# KiCad board GNSS_breakout_L86-M33.kicad_pcb (continued)
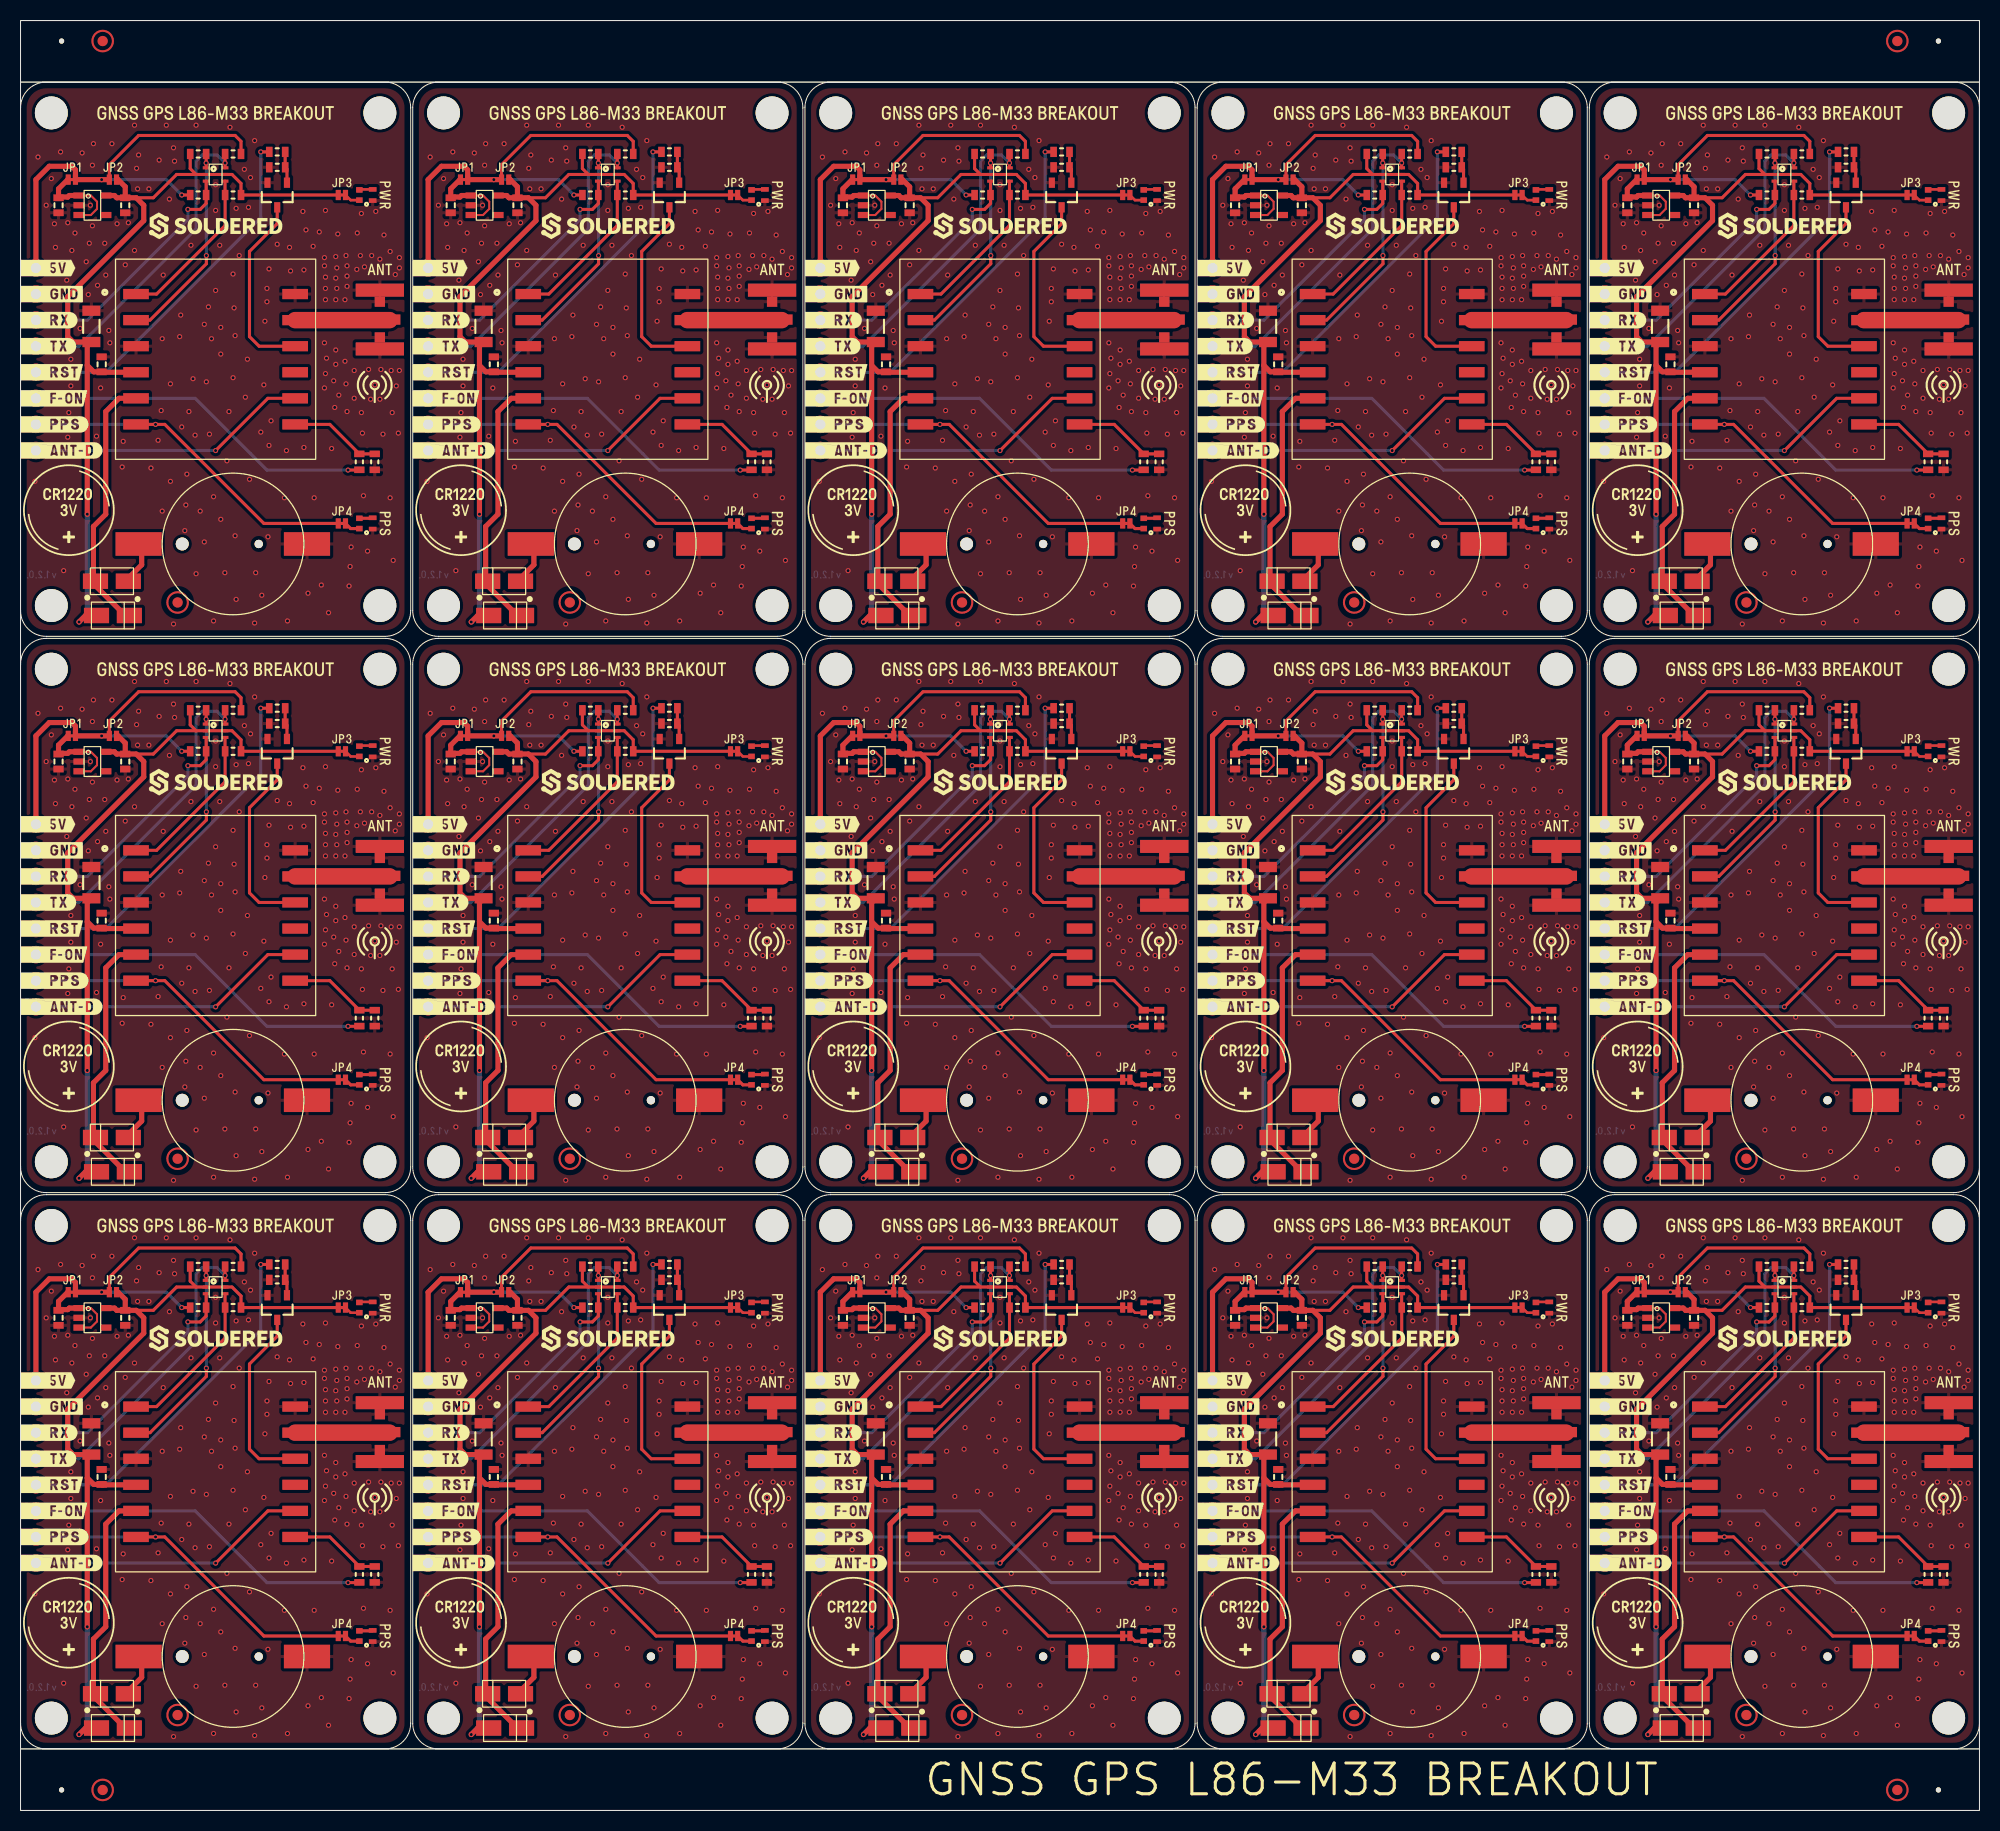
[diagram p0: board, top side]
## Routing (per net, layer and track width the routed paths; a pad name or vN(x,y) marks a point on that pad's centre or on a via; arc(x,y) is an arc through that point) (continued)
ANT: length 137.9
  Top w1.6: U2#4.11 188.75,91.01 ; U2#9.11 188.75,145.21 ; U2#8.11 188.75,36.81 ; U2#2.11 112.34,91.01 ; U2#13.11 112.34,145.21 ; U2#5.11 150.54,91.01 ; U2#10.11 74.15,145.21 ; U2#12.11 74.15,91.01 ; U2.11 35.94,91.01 ; U2#15.11 112.34,36.81 ; U2#14.11 74.15,36.81 ; U2#6.11 150.54,36.81 ; U2#3.11 35.94,145.21 ; U2#11.11 35.94,36.81 ; U2#7.11 150.54,145.21
ANT_DET: length 410.4
  Top w0.3: U2#15.8 100.49,29.19 v1(95.4,24.1) ; v1(95.4,78.3) 100.49,83.39 U2#2.8 ; v1(19,24.1) 24.09,29.19 U2#11.8 ; U2#3.8 24.09,137.59 v1(19,132.5) ; v1(57.2,78.3) 62.29,83.39 U2#12.8 ; v1(19,78.3) 24.09,83.39 U2.8 ; U2#14.8 62.29,29.19 v1(57.2,24.1) ; v1(133.6,78.3) 138.69,83.39 U2#5.8 ; v1(133.6,24.1) 138.69,29.19 U2#6.8 ; v1(171.8,132.5) 176.89,137.59 U2#9.8 ; v1(95.4,132.5) 100.49,137.59 U2#13.8 ; U2#10.8 62.29,137.59 v1(57.2,132.5) ; U2#4.8 176.89,83.39 v1(171.8,78.3) ; v1(171.8,24.1) 176.89,29.19 U2#8.8 ; v1(133.6,132.5) 138.69,137.59 U2#7.8
  Bottom w0.3: v1(19,78.3) 18.99,78.31 K3#7.1 ; v1(95.4,132.5) 95.39,132.51 K3#12.1 ; K3#10.1 133.59,78.31 v1(133.6,78.3) ; v1(95.4,24.1) 95.39,24.11 K3.1 ; K3#4.1 171.79,24.11 v1(171.8,24.1) ; K3#13.1 57.19,132.51 v1(57.2,132.5) ; K3#8.1 171.79,132.51 v1(171.8,132.5) ; v1(171.8,78.3) 171.79,78.31 K3#9.1 ; K3#15.1 133.59,132.51 v1(133.6,132.5) ; v1(95.4,78.3) 95.39,78.31 K3#11.1 ; K3#6.1 18.99,132.51 v1(19,132.5) ; K3#5.1 18.99,24.11 v1(19,24.1) ; v1(133.6,24.1) 133.59,24.11 K3#2.1 ; K3#3.1 57.19,24.11 v1(57.2,24.1) ; K3#14.1 57.19,78.31 v1(57.2,78.3)
FORCE_ON: length 516.1
  Top w0.3: R1#9.1 71.18,22.2 v1(70.1,22.2) ; R1#15.1 71.18,76.4 v1(70.1,76.4) ; R1#2.1 109.38,130.6 v1(108.3,130.6) ; R1#6.1 185.77,76.4 v1(184.7,76.4) ; v1(108.3,76.4) 109.38,76.4 R1#3.1 ; R1#5.1 185.77,130.6 v1(184.7,130.6) ; v1(31.9,76.4) 32.97,76.4 R1.1 ; R1#12.1 32.97,22.2 v1(31.9,22.2) ; v1(31.9,130.6) 32.97,130.6 R1#14.1 ; v1(146.5,76.4) 147.57,76.4 R1#4.1 ; R1#13.1 185.77,22.2 v1(184.7,22.2) ; v1(146.5,130.6) 147.57,130.6 R1#8.1 ; v1(70.1,130.6) 71.18,130.6 R1#7.1 ; v1(108.3,22.2) 109.38,22.2 R1#10.1 ; v1(146.5,22.2) 147.57,22.2 R1#11.1
  Bottom w0.3: v1(146.5,130.6) 138.6,130.6 131.61,137.59 K3#15.3 ; v1(31.9,22.2) 24,22.2 17.01,29.19 K3#5.3 ; v1(70.1,76.4) 62.2,76.4 55.21,83.39 K3#14.3 ; K3.3 93.41,29.19 100.4,22.2 v1(108.3,22.2) ; K3#7.3 17.01,83.39 24,76.4 v1(31.9,76.4) ; K3#12.3 93.41,137.59 100.4,130.6 v1(108.3,130.6) ; K3#9.3 169.81,83.39 176.8,76.4 v1(184.7,76.4) ; K3#11.3 93.41,83.39 100.4,76.4 v1(108.3,76.4) ; v1(146.5,22.2) 138.6,22.2 131.61,29.19 K3#2.3 ; v1(70.1,22.2) 62.2,22.2 55.21,29.19 K3#3.3 ; K3#10.3 131.61,83.39 138.6,76.4 v1(146.5,76.4) ; v1(70.1,130.6) 62.2,130.6 55.21,137.59 K3#13.3 ; v1(184.7,130.6) 176.8,130.6 169.81,137.59 K3#8.3 ; K3#4.3 169.81,29.19 176.8,22.2 v1(184.7,22.2) ; K3#6.3 17.01,137.59 24,130.6 v1(31.9,130.6)
PPS: length 530.2
  Top w0.3: U2#6.6 v1(127.75,26.65) 128.65,26.65 138.3,17 JP4#15.1 ; JP4#6.1 100.1,125.4 90.45,135.05 v1(89.55,135.05) U2#13.6 ; U2.6 v1(13.15,80.85) 14.05,80.85 23.7,71.2 JP4#14.1 ; JP4#9.1 138.3,125.4 128.65,135.05 v1(127.75,135.05) U2#7.6 ; JP4#5.1 23.7,17 14.05,26.65 v1(13.15,26.65) U2#11.6 ; U2#10.6 v1(51.35,135.05) 52.25,135.05 61.9,125.4 JP4#8.1 ; U2#14.6 v1(51.35,26.65) 52.25,26.65 61.9,17 JP4#10.1 ; U2#12.6 v1(51.35,80.85) 52.25,80.85 61.9,71.2 JP4#7.1 ; JP4.1 176.5,17 166.85,26.65 v1(165.95,26.65) U2#8.6 ; U2#4.6 v1(165.95,80.85) 166.85,80.85 176.5,71.2 JP4#13.1 ; JP4#11.1 138.3,71.2 128.65,80.85 v1(127.75,80.85) U2#5.6 ; JP4#2.1 100.1,17 90.45,26.65 v1(89.55,26.65) U2#15.6 ; U2#3.6 v1(13.15,135.05) 14.05,135.05 23.7,125.4 JP4#3.1 ; U2#2.6 v1(89.55,80.85) 90.45,80.85 100.1,71.2 JP4#4.1 ; U2#9.6 v1(165.95,135.05) 166.85,135.05 176.5,125.4 JP4#12.1
  Bottom w0.3: K3#12.2 v1(89.55,135.05) ; K3#9.2 v1(165.95,80.85) ; K3#14.2 v1(51.35,80.85) ; K3#5.2 v1(13.15,26.65) ; K3#10.2 v1(127.75,80.85) ; K3#15.2 v1(127.75,135.05) ; K3#8.2 v1(165.95,135.05) ; K3#13.2 v1(51.35,135.05) ; K3.2 v1(89.55,26.65) ; K3#4.2 v1(165.95,26.65) ; K3#6.2 v1(13.15,135.05) ; K3#11.2 v1(89.55,80.85) ; K3#7.2 v1(13.15,80.85) ; K3#3.2 v1(51.35,26.65) ; K3#2.2 v1(127.75,26.65)
RESET: length 530.5
  Top w0.3: v1(176.2,161.6) 177.02,161.6 ; v1(138,161.6) R2#13.1 ; v1(23.4,53.2) R2#12.1 ; v1(61.6,107.4) R2#5.1 ; v1(61.6,161.6) R2#6.1 ; v1(99.8,107.4) R2#14.1 ; v1(61.6,53.2) R2.1 ; v1(176.2,107.4) 177.02,107.4 ; v1(176.2,53.2) 177.02,53.2 ; v1(99.8,161.6) R2#15.1 ; v1(99.8,53.2) R2#4.1 ; v1(23.4,107.4) R2#8.1 ; v1(23.4,161.6) R2#9.1 ; v1(138,53.2) R2#3.1 ; v1(138,107.4) R2#11.1
  Bottom w0.3: K3#4.4 161.13,31.73 176.2,46.8 v1(176.2,53.2) ; v1(138,53.2) 138,46.8 122.93,31.73 K3#2.4 ; K3#6.4 8.33,140.13 23.4,155.2 v1(23.4,161.6) ; v1(99.8,107.4) 99.8,101 84.73,85.93 K3#11.4 ; K3#8.4 161.13,140.13 176.2,155.2 v1(176.2,161.6) ; v1(99.8,53.2) 99.8,46.8 84.73,31.73 K3.4 ; v1(61.6,53.2) 61.6,46.8 46.53,31.73 K3#3.4 ; v1(61.6,161.6) 61.6,155.2 46.53,140.13 K3#13.4 ; v1(176.2,107.4) 176.2,101 161.13,85.93 K3#9.4 ; v1(138,107.4) 138,101 122.93,85.93 K3#10.4 ; K3#15.4 122.93,140.13 138,155.2 v1(138,161.6) ; v1(61.6,107.4) 61.6,101 46.53,85.93 K3#14.4 ; v1(99.8,161.6) 99.8,155.2 84.73,140.13 K3#12.4 ; K3#7.4 8.33,85.93 23.4,101 v1(23.4,107.4) ; K3#5.4 8.33,31.73 23.4,46.8 v1(23.4,53.2)
RX3V3: length 236.5
  Top w0.3: U1#4.4 19.92,157.41 R8#8.1 19.92,154.43 13.25,147.75 U2#3.1 ; U2#15.1 89.65,39.35 96.32,46.03 R8#7.1 96.32,49 U1#2.4 ; U1.4 172.72,103.21 R8#12.1 172.73,100.22 166.05,93.55 U2#4.1 ; U2#7.1 127.85,147.75 134.53,154.43 R8#15.1 134.52,157.41 U1#11.4 ; U1#13.4 19.92,103.21 R8#2.1 19.92,100.22 13.25,93.55 U2.1 ; U2#10.1 51.45,147.75 58.12,154.43 R8#5.1 58.12,157.41 U1#14.4 ; U2#6.1 127.85,39.35 134.53,46.03 R8#14.1 134.52,49 U1#3.4 ; U1#8.4 19.92,49 R8#11.1 19.92,46.03 13.25,39.35 U2#11.1 ; U2#13.1 89.65,147.75 96.32,154.43 R8#10.1 96.32,157.41 U1#10.4 ; U2#8.1 166.05,39.35 172.73,46.03 R8.1 172.72,49 U1#15.4 ; U2#12.1 51.45,93.55 58.12,100.22 R8#9.1 58.12,103.21 U1#9.4 ; U2#5.1 127.85,93.55 134.53,100.22 R8#4.1 134.52,103.21 U1#5.4 ; U2#2.1 89.65,93.55 96.32,100.22 R8#13.1 96.32,103.21 U1#12.4 ; U2#14.1 51.45,39.35 58.12,46.03 R8#3.1 58.12,49 U1#6.4 ; U1#7.4 172.72,157.41 R8#6.1 172.73,154.43 166.05,147.75 U2#9.1
RX5: length 360.7
  Top w0.3: v1(54.5,47.6) 55.7,47.6 56.28,48.18 R4#6.2 56.28,49 U1#6.3 ; U1#12.3 94.48,103.21 R4#13.2 94.47,102.38 93.9,101.8 v1(92.7,101.8) ; U1#3.3 132.68,49 R4#9.2 132.68,48.18 132.1,47.6 v1(130.9,47.6) ; v1(169.1,101.8) 170.3,101.8 170.88,102.38 R4#10.2 170.88,103.21 U1.3 ; U1#15.3 170.88,49 R4#11.2 170.88,48.18 170.3,47.6 v1(169.1,47.6) ; U1#14.3 56.28,157.41 R4#2.2 56.28,156.57 55.7,156 v1(54.5,156) ; U1#13.3 18.08,103.21 R4#7.2 18.08,102.38 17.5,101.8 v1(16.3,101.8) ; v1(16.3,156) 17.5,156 18.08,156.57 R4#3.2 18.08,157.41 U1#4.3 ; v1(16.3,47.6) 17.5,47.6 18.08,48.18 R4#5.2 18.08,49 U1#8.3 ; U1#11.3 132.68,157.41 R4#15.2 132.68,156.57 132.1,156 v1(130.9,156) ; v1(92.7,156) 93.9,156 94.47,156.57 R4.2 94.48,157.41 U1#10.3 ; U1#2.3 94.48,49 R4#8.2 94.47,48.18 93.9,47.6 v1(92.7,47.6) ; U1#5.3 132.68,103.21 R4#14.2 132.68,102.38 132.1,101.8 v1(130.9,101.8) ; U1#7.3 170.88,157.41 R4#12.2 170.88,156.57 170.3,156 v1(169.1,156) ; v1(54.5,101.8) 55.7,101.8 56.28,102.38 R4#4.2 56.28,103.21 U1#9.3
  Bottom w0.3: v1(130.9,156) 130.9,155 121.11,145.21 K3#15.6 ; K3#4.6 159.31,36.81 169.1,46.6 v1(169.1,47.6) ; v1(16.3,101.8) 16.3,100.8 6.51,91.01 K3#7.6 ; K3#9.6 159.31,91.01 169.1,100.8 v1(169.1,101.8) ; v1(16.3,47.6) 16.3,46.6 6.51,36.81 K3#5.6 ; v1(92.7,156) 92.7,155 82.91,145.21 K3#12.6 ; K3#11.6 82.91,91.01 92.7,100.8 v1(92.7,101.8) ; v1(92.7,47.6) 92.7,46.6 82.91,36.81 K3.6 ; v1(54.5,101.8) 54.5,100.8 44.71,91.01 K3#14.6 ; K3#10.6 121.11,91.01 130.9,100.8 v1(130.9,101.8) ; v1(169.1,156) 169.1,155 159.31,145.21 K3#8.6 ; v1(16.3,156) 16.3,155 6.51,145.21 K3#6.6 ; K3#3.6 44.71,36.81 54.5,46.6 v1(54.5,47.6) ; v1(130.9,47.6) 130.9,46.6 121.11,36.81 K3#2.6 ; v1(54.5,156) 54.5,155 44.71,145.21 K3#13.6
TX3V3: length 304.6
  Top w0.3: R3.2 170.88,161.39 v1(170.88,160.52) U1#7.1 ; R3#10.2 94.48,107.19 v1(94.48,106.32) U1#12.1 ; U2#6.2 127.21,36.81 132.7,42.3 v1(132.7,43.1) ; U2#3.2 12.61,145.21 18.1,150.7 v1(18.1,151.5) ; U2#10.2 50.81,145.21 56.3,150.7 v1(56.3,151.5) ; v1(132.7,151.5) 132.7,150.7 127.21,145.21 U2#7.2 ; U1#3.1 v1(132.68,52.12) 132.68,53 R3#3.2 ; R3#5.2 18.08,53 v1(18.08,52.12) U1#8.1 ; v1(170.9,97.3) 170.9,96.5 165.41,91.01 U2#4.2 ; R3#14.2 56.28,161.39 v1(56.28,160.52) U1#14.1 ; U2#5.2 127.21,91.01 132.7,96.5 v1(132.7,97.3) ; R3#9.2 94.48,161.39 v1(94.48,160.52) U1#10.1 ; U2#9.2 165.41,145.21 170.9,150.7 v1(170.9,151.5) ; U1#2.1 v1(94.48,52.12) 94.48,53 R3#2.2 ; v1(56.3,97.3) 56.3,96.5 50.81,91.01 U2#12.2 ; v1(18.1,97.3) 18.1,96.5 12.61,91.01 U2.2 ; v1(170.9,43.1) 170.9,42.3 165.41,36.81 U2#8.2 ; U1#15.1 v1(170.88,52.12) 170.88,53 R3#12.2 ; v1(94.5,151.5) 94.5,150.7 89.01,145.21 U2#13.2 ; v1(18.1,43.1) 18.1,42.3 12.61,36.81 U2#11.2 ; R3#15.2 170.88,107.19 v1(170.88,106.32) U1.1 ; U1#6.1 v1(56.28,52.12) 56.28,53 R3#8.2 ; U2#15.2 89.01,36.81 94.5,42.3 v1(94.5,43.1) ; v1(94.5,97.3) 94.5,96.5 89.01,91.01 U2#2.2 ; U1#4.1 v1(18.08,160.52) 18.08,161.39 R3#13.2 ; U1#5.1 v1(132.68,106.32) 132.68,107.19 R3#11.2 ; U2#14.2 50.81,36.81 56.3,42.3 v1(56.3,43.1) ; R3#6.2 56.28,107.19 v1(56.28,106.32) U1#9.1 ; U1#11.1 v1(132.68,160.52) 132.68,161.39 R3#7.2 ; R3#4.2 18.08,107.19 v1(18.08,106.32) U1#13.1
  Bottom w0.3: v1(170.88,52.12) 170.9,52.1 v1(170.9,43.1) ; v1(56.28,52.12) 56.3,52.1 v1(56.3,43.1) ; v1(132.7,151.5) 132.7,160.5 v1(132.68,160.52) ; v1(94.5,97.3) 94.5,106.3 v1(94.48,106.32) ; v1(94.48,160.52) 94.5,160.5 v1(94.5,151.5) ; v1(56.28,106.32) 56.3,106.3 v1(56.3,97.3) ; v1(94.48,52.12) 94.5,52.1 v1(94.5,43.1) ; v1(18.08,160.52) 18.1,160.5 v1(18.1,151.5) ; v1(170.88,106.32) 170.9,106.3 v1(170.9,97.3) ; v1(18.08,106.32) 18.1,106.3 v1(18.1,97.3) ; v1(132.68,106.32) 132.7,106.3 v1(132.7,97.3) ; v1(56.28,160.52) 56.3,160.5 v1(56.3,151.5) ; v1(18.08,52.12) 18.1,52.1 v1(18.1,43.1) ; v1(132.68,52.12) 132.7,52.1 v1(132.7,43.1) ; v1(170.88,160.52) 170.9,160.5 v1(170.9,151.5)
TX5: length 475.2
  Top w0.3: R7.1 58.12,161.39 v1(58.12,160.52) U1#14.6 ; R7#2.1 19.92,161.39 v1(19.92,160.52) U1#4.6 ; R7#15.1 134.52,107.19 v1(134.52,106.32) U1#5.6 ; R7#3.1 172.72,161.39 v1(172.72,160.52) U1#7.6 ; U1#6.6 v1(58.12,52.12) 58.12,53 R7#10.1 ; U1#9.6 v1(58.12,106.32) 58.12,107.19 R7#9.1 ; U1#8.6 v1(19.92,52.12) 19.92,53 R7#14.1 ; U1#3.6 v1(134.52,52.12) 134.52,53 R7#11.1 ; R7#13.1 172.72,53 v1(172.72,52.12) U1#15.6 ; R7#5.1 96.32,53 v1(96.32,52.12) U1#2.6 ; U1#12.6 v1(96.32,106.32) 96.32,107.19 R7#12.1 ; U1.6 v1(172.72,106.32) 172.72,107.19 R7#7.1 ; U1#11.6 v1(134.52,160.52) 134.52,161.39 R7#6.1 ; U1#13.6 v1(19.92,106.32) 19.92,107.19 R7#8.1 ; R7#4.1 96.32,161.39 v1(96.32,160.52) U1#10.6
  Bottom w0.3: K3#5.5 5.67,34.27 17.1,45.7 17.1,52.3 17.7,52.9 19.14,52.9 v1(19.92,52.12) ; K3#13.5 43.87,142.67 55.3,154.1 55.3,160.7 55.9,161.3 57.34,161.3 v1(58.12,160.52) ; v1(96.32,106.32) 95.54,107.1 94.1,107.1 93.5,106.5 93.5,99.9 82.07,88.47 K3#11.5 ; K3#12.5 82.07,142.67 93.5,154.1 93.5,160.7 94.1,161.3 95.54,161.3 v1(96.32,160.52) ; v1(96.32,52.12) 95.54,52.9 94.1,52.9 93.5,52.3 93.5,45.7 82.07,34.27 K3.5 ; v1(58.12,106.32) 57.34,107.1 55.9,107.1 55.3,106.5 55.3,99.9 43.87,88.47 K3#14.5 ; K3#4.5 158.47,34.27 169.9,45.7 169.9,52.3 170.5,52.9 171.94,52.9 v1(172.72,52.12) ; K3#15.5 120.27,142.67 131.7,154.1 131.7,160.7 132.3,161.3 133.74,161.3 v1(134.52,160.52) ; K3#9.5 158.47,88.47 169.9,99.9 169.9,106.5 170.5,107.1 171.94,107.1 v1(172.72,106.32) ; K3#2.5 120.27,34.27 131.7,45.7 131.7,52.3 132.3,52.9 133.74,52.9 v1(134.52,52.12) ; K3#10.5 120.27,88.47 131.7,99.9 131.7,106.5 132.3,107.1 133.74,107.1 v1(134.52,106.32) ; v1(19.92,106.32) 19.14,107.1 17.7,107.1 17.1,106.5 17.1,99.9 5.67,88.47 K3#7.5 ; K3#3.5 43.87,34.27 55.3,45.7 55.3,52.3 55.9,52.9 57.34,52.9 v1(58.12,52.12) ; v1(19.92,160.52) 19.14,161.3 17.7,161.3 17.1,160.7 17.1,154.1 5.67,142.67 K3#6.5 ; K3#8.5 158.47,142.67 169.9,154.1 169.9,160.7 170.5,161.3 171.94,161.3 v1(172.72,160.52)
V_BCKP: length 380.8
  Top w0.5: U2#14.5 47.79,29.19 46.5,27.9 46.5,17.9 45.3,16.7 45.3,11.77 45,11.47 45,11.43 48.4,8.03 ; 163,116.43 159.6,119.83 159.6,119.87 159.9,120.17 159.9,125.1 161.1,126.3 161.1,136.3 162.39,137.59 U2#9.5 ; 10.2,62.23 6.8,65.63 6.8,65.67 7.1,65.97 7.1,70.9 8.3,72.1 8.3,82.1 9.59,83.39 U2.5 ; U2#8.5 162.39,29.19 161.1,27.9 161.1,17.9 159.9,16.7 159.9,11.77 159.6,11.47 159.6,11.43 163,8.03 ; 163,62.23 159.6,65.63 159.6,65.67 159.9,65.97 159.9,70.9 161.1,72.1 161.1,82.1 162.39,83.39 U2#4.5 ; U2#10.5 47.79,137.59 46.5,136.3 46.5,126.3 45.3,125.1 45.3,120.17 45,119.87 45,119.83 48.4,116.43 ; U2#7.5 124.19,137.59 122.9,136.3 122.9,126.3 121.7,125.1 121.7,120.17 121.4,119.87 121.4,119.83 124.8,116.43 ; 86.6,62.23 83.2,65.63 83.2,65.67 83.5,65.97 83.5,70.9 84.7,72.1 84.7,82.1 85.99,83.39 U2#2.5 ; 86.6,8.03 83.2,11.43 83.2,11.47 83.5,11.77 83.5,16.7 84.7,17.9 84.7,27.9 85.99,29.19 U2#15.5 ; U2#3.5 9.59,137.59 8.3,136.3 8.3,126.3 7.1,125.1 7.1,120.17 6.8,119.87 6.8,119.83 10.2,116.43 ; U2#11.5 9.59,29.19 8.3,27.9 8.3,17.9 7.1,16.7 7.1,11.77 6.8,11.47 6.8,11.43 10.2,8.03 ; 124.8,8.03 121.4,11.43 121.4,11.47 121.7,11.77 121.7,16.7 122.9,17.9 122.9,27.9 124.19,29.19 U2#6.5 ; 48.4,62.23 45,65.63 45,65.67 45.3,65.97 45.3,70.9 46.5,72.1 46.5,82.1 47.79,83.39 U2#12.5 ; U2#13.5 85.99,137.59 84.7,136.3 84.7,126.3 83.5,125.1 83.5,120.17 83.2,119.87 83.2,119.83 86.6,116.43 ; U2#5.5 124.19,83.39 122.9,82.1 122.9,72.1 121.7,70.9 121.7,65.97 121.4,65.67 121.4,65.63 124.8,62.23
Net-(C3-Pad2): length 134.7
  Top w0.2: U3#12.3 121.45,101.25 122.05,101.85 122.05,102.55 121.45,103.15 U3#12.1 ; U3#9.3 6.85,155.45 7.45,156.05 7.45,156.75 6.85,157.35 U3#9.1 ; U3#11.3 159.65,101.25 160.25,101.85 160.25,102.55 159.65,103.15 U3#11.1 ; U3.3 45.05,101.25 45.65,101.85 45.65,102.55 45.05,103.15 U3.1 ; U3#10.1 83.25,103.15 83.85,102.55 83.85,101.85 83.25,101.25 U3#10.3 ; U3#6.1 159.65,48.95 160.25,48.35 160.25,47.65 159.65,47.05 U3#6.3 ; U3#15.3 45.05,155.45 45.65,156.05 45.65,156.75 45.05,157.35 U3#15.1 ; U3#14.1 121.45,157.35 122.05,156.75 122.05,156.05 121.45,155.45 U3#14.3 ; U3#13.3 121.45,47.05 122.05,47.65 122.05,48.35 121.45,48.95 U3#13.1 ; U3#4.1 6.85,48.95 7.45,48.35 7.45,47.65 6.85,47.05 U3#4.3 ; U3#7.1 6.85,103.15 7.45,102.55 7.45,101.85 6.85,101.25 U3#7.3 ; U3#3.3 45.05,47.05 45.65,47.65 45.65,48.35 45.05,48.95 U3#3.1 ; U3#2.3 83.25,155.45 83.85,156.05 83.85,156.75 83.25,157.35 U3#2.1 ; U3#5.3 83.25,47.05 83.85,47.65 83.85,48.35 83.25,48.95 U3#5.1 ; U3#8.1 159.65,157.35 160.25,156.75 160.25,156.05 159.65,155.45 U3#8.3
  Top w0.5: JP1#4.1 157.4,158.9 156.5,158 C3#15.2 156.57,157.2 157.4,157.2 157.55,157.35 U3#8.1 ; JP1#7.1 81,158.9 80.1,158 C3#14.2 80.17,157.2 81,157.2 81.15,157.35 U3#2.1 ; U3#10.1 81.15,103.15 81,103 80.17,103 C3.2 80.1,103.8 81,104.7 JP1#13.1 ; U3#9.1 4.75,157.35 4.6,157.2 3.77,157.2 C3#11.2 3.7,158 4.6,158.9 JP1#15.1 ; U3#6.1 157.55,48.95 157.4,48.8 156.57,48.8 C3#7.2 156.5,49.6 157.4,50.5 JP1#9.1 ; U3#15.1 42.95,157.35 42.8,157.2 41.97,157.2 C3#10.2 41.9,158 42.8,158.9 JP1#5.1 ; U3#5.1 81.15,48.95 81,48.8 80.17,48.8 C3#3.2 80.1,49.6 81,50.5 JP1#14.1 ; U3#7.1 4.75,103.15 4.6,103 3.77,103 C3#5.2 3.7,103.8 4.6,104.7 JP1#3.1 ; U3.1 42.95,103.15 42.8,103 41.97,103 C3#13.2 41.9,103.8 42.8,104.7 JP1#2.1 ; JP1#6.1 157.4,104.7 156.5,103.8 C3#12.2 156.57,103 157.4,103 157.55,103.15 U3#11.1 ; U3#4.1 4.75,48.95 4.6,48.8 3.77,48.8 C3#2.2 3.7,49.6 4.6,50.5 JP1#10.1 ; U3#13.1 119.35,48.95 119.2,48.8 118.37,48.8 C3#8.2 118.3,49.6 119.2,50.5 JP1#11.1 ; JP1#8.1 42.8,50.5 41.9,49.6 C3#6.2 41.97,48.8 42.8,48.8 42.95,48.95 U3#3.1 ; JP1#12.1 119.2,158.9 118.3,158 C3#4.2 118.37,157.2 119.2,157.2 119.35,157.35 U3#14.1 ; JP1.1 119.2,104.7 118.3,103.8 C3#9.2 118.37,103 119.2,103 119.35,103.15 U3#12.1
Net-(D2-Pad1): length 68.5
  Top w0.5: 48.5,11.47 50,12.97 50,14 49,15 ; 49,69.2 50,68.2 50,67.17 48.5,65.67 ; 10.3,65.67 11.8,67.17 11.8,68.2 10.8,69.2 ; 87.2,15 88.2,14 88.2,12.97 86.7,11.47 ; 163.6,123.4 164.6,122.4 164.6,121.37 163.1,119.87 ; 86.7,119.87 88.2,121.37 88.2,122.4 87.2,123.4 ; 10.3,11.47 11.8,12.97 11.8,14 10.8,15 ; 87.2,69.2 88.2,68.2 88.2,67.17 86.7,65.67 ; 49,123.4 50,122.4 50,121.37 48.5,119.87 ; 125.4,123.4 126.4,122.4 126.4,121.37 124.9,119.87 ; 10.8,123.4 11.8,122.4 11.8,121.37 10.3,119.87 ; 163.6,15 164.6,14 164.6,12.97 163.1,11.47 ; 163.6,69.2 164.6,68.2 164.6,67.17 163.1,65.67 ; 125.4,69.2 126.4,68.2 126.4,67.17 124.9,65.67 ; 124.9,11.47 126.4,12.97 126.4,14 125.4,15
Net-(D3-Pad1): length 19.8
  Top w0.254: R9#9.2 33.05,103.75 D3#11.1 ; R9#15.2 185.85,49.55 D3#15.1 ; R9#10.2 147.65,103.75 D3.1 ; D3#9.1 71.25,49.55 R9#13.2 ; D3#8.1 33.05,157.95 R9#8.2 ; D3#12.1 109.45,157.95 R9#2.2 ; D3#7.1 185.85,103.75 R9#3.2 ; R9#6.2 33.05,49.55 D3#14.1 ; R9#12.2 71.25,103.75 D3#3.1 ; D3#10.1 147.65,157.95 R9#11.2 ; D3#13.1 71.25,157.95 R9#5.2 ; D3#5.1 185.85,157.95 R9#14.2 ; R9.2 109.45,103.75 D3#2.1 ; D3#4.1 109.45,49.55 R9#4.2 ; R9#7.2 147.65,49.55 D3#6.1
Net-(D4-Pad1): length 19.8
  Top w0.3: R10#15.2 148.85,17.5 D4#14.1 ; R10#11.2 187.05,17.5 D4#3.1 ; R10#4.2 110.65,125.9 D4#2.1 ; D4#8.1 72.45,71.7 R10#3.2 ; R10#5.2 110.65,71.7 D4#7.1 ; D4#13.1 34.25,17.5 R10.2 ; D4#11.1 72.45,17.5 R10#6.2 ; R10#13.2 72.45,125.9 D4#9.1 ; D4.1 148.85,125.9 R10#8.2 ; R10#14.2 148.85,71.7 D4#6.1 ; R10#2.2 110.65,17.5 D4#4.1 ; R10#10.2 34.25,71.7 D4#5.1 ; D4#15.1 187.05,125.9 R10#7.2 ; R10#9.2 34.25,125.9 D4#12.1 ; D4#10.1 187.05,71.7 R10#12.2
Net-(JP3-Pad2): length 23.4
  Top w0.254: R9#11.1 146.75,156.9 JP3#2.2 ; JP3#6.2 70.35,48.5 R9#13.1 ; R9#15.1 184.95,48.5 JP3.2 ; R9#10.1 146.75,102.7 JP3#8.2 ; R9#3.1 184.95,102.7 JP3#5.2 ; R9.1 108.55,102.7 JP3#13.2 ; R9#14.1 184.95,156.9 JP3#4.2 ; JP3#3.2 32.15,48.5 R9#6.1 ; JP3#10.2 108.55,48.5 R9#4.1 ; JP3#12.2 32.15,102.7 R9#9.1 ; R9#2.1 108.55,156.9 JP3#15.2 ; R9#12.1 70.35,102.7 JP3#11.2 ; JP3#7.2 146.75,48.5 R9#7.1 ; R9#8.1 32.15,156.9 JP3#14.2 ; R9#5.1 70.35,156.9 JP3#9.2
Net-(JP4-Pad2): length 23.4
  Top w0.3: R10#3.1 70.35,70.7 JP4#7.2 ; JP4#3.2 32.15,124.9 R10#9.1 ; R10.1 32.15,16.5 JP4#5.2 ; JP4#6.2 108.55,124.9 R10#4.1 ; R10#8.1 146.75,124.9 JP4#9.2 ; JP4#11.2 146.75,70.7 R10#14.1 ; R10#15.1 146.75,16.5 JP4#15.2 ; JP4#12.2 184.95,124.9 R10#7.1 ; JP4#10.2 70.35,16.5 R10#6.1 ; JP4#4.2 108.55,70.7 R10#5.1 ; JP4#13.2 184.95,70.7 R10#12.1 ; JP4#8.2 70.35,124.9 R10#13.1 ; R10#2.1 108.55,16.5 JP4#2.2 ; JP4.2 184.95,16.5 R10#11.1 ; R10#10.1 32.15,70.7 JP4#14.2
Net-(Q1-Pad1): length 46.1
  Top w0.3: Q1#9.1 64.15,105.72 R6#7.1 R2#5.2 ; Q1#5.1 25.95,159.93 R6#8.1 R2#9.2 ; R2#6.2 R6#5.1 64.15,159.93 Q1#4.1 ; R2#8.2 R6#12.1 25.95,105.72 Q1#7.1 ; Q1.1 140.55,105.72 R6#10.1 R2#11.2 ; R2#3.2 R6#2.1 140.55,51.53 Q1#6.1 ; R2#7.2 R6#14.1 178.75,105.72 Q1#14.1 ; R2#2.2 R6#9.1 178.75,51.53 Q1#3.1 ; Q1#2.1 25.95,51.53 R6.1 R2#12.2 ; R2#13.2 R6#11.1 140.55,159.93 Q1#10.1 ; R2.2 R6#15.1 64.15,51.53 Q1#12.1 ; Q1#8.1 178.75,159.93 R6#6.1 R2#10.2 ; R2#15.2 R6#3.1 102.35,159.93 Q1#11.1 ; R2#14.2 R6#4.1 102.35,105.72 Q1#15.1 ; R2#4.2 R6#13.1 102.35,51.53 Q1#13.1
Net-(Q1-Pad3): length 278.3
  Top w0.3: U2#2.10 99.63,88.47 98.7,89.4 98.7,97.7 101.4,100.4 Q1#15.3 ; U2#7.10 137.83,142.67 136.9,143.6 136.9,151.9 139.6,154.6 Q1#10.3 ; Q1#9.3 63.2,100.4 60.5,97.7 60.5,89.4 61.43,88.47 U2#12.10 ; U2#5.10 137.83,88.47 136.9,89.4 136.9,97.7 139.6,100.4 Q1.3 ; U2#11.10 23.23,34.27 22.3,35.2 22.3,43.5 25,46.2 Q1#2.3 ; U2#4.10 176.03,88.47 175.1,89.4 175.1,97.7 177.8,100.4 Q1#14.3 ; Q1#13.3 101.4,46.2 98.7,43.5 98.7,35.2 99.63,34.27 U2#15.10 ; U2#14.10 61.43,34.27 60.5,35.2 60.5,43.5 63.2,46.2 Q1#12.3 ; U2#10.10 61.43,142.67 60.5,143.6 60.5,151.9 63.2,154.6 Q1#4.3 ; U2#8.10 176.03,34.27 175.1,35.2 175.1,43.5 177.8,46.2 Q1#3.3 ; Q1#6.3 139.6,46.2 136.9,43.5 136.9,35.2 137.83,34.27 U2#6.10 ; Q1#8.3 177.8,154.6 175.1,151.9 175.1,143.6 176.03,142.67 U2#9.10 ; U2.10 23.23,88.47 22.3,89.4 22.3,97.7 25,100.4 Q1#7.3 ; U2#13.10 99.63,142.67 98.7,143.6 98.7,151.9 101.4,154.6 Q1#11.3 ; U2#3.10 23.23,142.67 22.3,143.6 22.3,151.9 25,154.6 Q1#5.3
Net-(R1-Pad2): length 134.1
  Top w0.3: U2#2.7 106.53,80.85 R1#3.2 R5#12.1 ; R5#13.1 R1#7.2 68.32,135.05 U2#10.7 ; R5#6.1 R1#12.2 30.12,26.65 U2#11.7 ; U2#9.7 182.93,135.05 R1#5.2 R5.1 ; U2#12.7 68.32,80.85 R1#15.2 R5#10.1 ; U2#6.7 144.72,26.65 R1#11.2 R5#7.1 ; U2#15.7 106.53,26.65 R1#10.2 R5#11.1 ; R5#3.1 R1#8.2 144.72,135.05 U2#7.7 ; R5#9.1 R1#9.2 68.32,26.65 U2#14.7 ; R5#8.1 R1#14.2 30.12,135.05 U2#3.7 ; U2#5.7 144.72,80.85 R1#4.2 R5#5.1 ; U2#8.7 182.93,26.65 R1#13.2 R5#14.1 ; R5#15.1 R1#2.2 106.53,135.05 U2#13.7 ; R5#4.1 R1#6.2 182.93,80.85 U2#4.7 ; R5#2.1 R1.2 30.12,80.85 U2.7

## Copper pours and planes (outline as drawn; the poured copper is in the pictures)
GND on Top, Bottom: 38,6 0,6 0,60 38,60
GND on Top, Bottom: 152.6,60.2 114.6,60.2 114.6,114.2 152.6,114.2
GND on Top, Bottom: 190.8,60.2 152.8,60.2 152.8,114.2 190.8,114.2
GND on Top, Bottom: 114.4,114.4 76.4,114.4 76.4,168.4 114.4,168.4
GND on Top, Bottom: 190.8,6 152.8,6 152.8,60 190.8,60
GND on Top, Bottom: 114.4,60.2 76.4,60.2 76.4,114.2 114.4,114.2
GND on Top, Bottom: 190.8,114.4 152.8,114.4 152.8,168.4 190.8,168.4
GND on Top, Bottom: 114.4,6 76.4,6 76.4,60 114.4,60
GND on Top, Bottom: 152.6,6 114.6,6 114.6,60 152.6,60
GND on Top, Bottom: 76.2,114.4 38.2,114.4 38.2,168.4 76.2,168.4
GND on Top, Bottom: 38,114.4 0,114.4 0,168.4 38,168.4
GND on Top, Bottom: 152.6,114.4 114.6,114.4 114.6,168.4 152.6,168.4
GND on Top, Bottom: 76.2,60.2 38.2,60.2 38.2,114.2 76.2,114.2
GND on Top, Bottom: 76.2,6 38.2,6 38.2,60 76.2,60
GND on Top, Bottom: 38,60.2 0,60.2 0,114.2 38,114.2

## Text on the board
F.Silkscreen: GNSS GPS L86-M33 BREAKOUT
V-CUT: V-CUT
